# Altium PCB Stabilizer.PCBDOC (part 1 of 8) (continued)
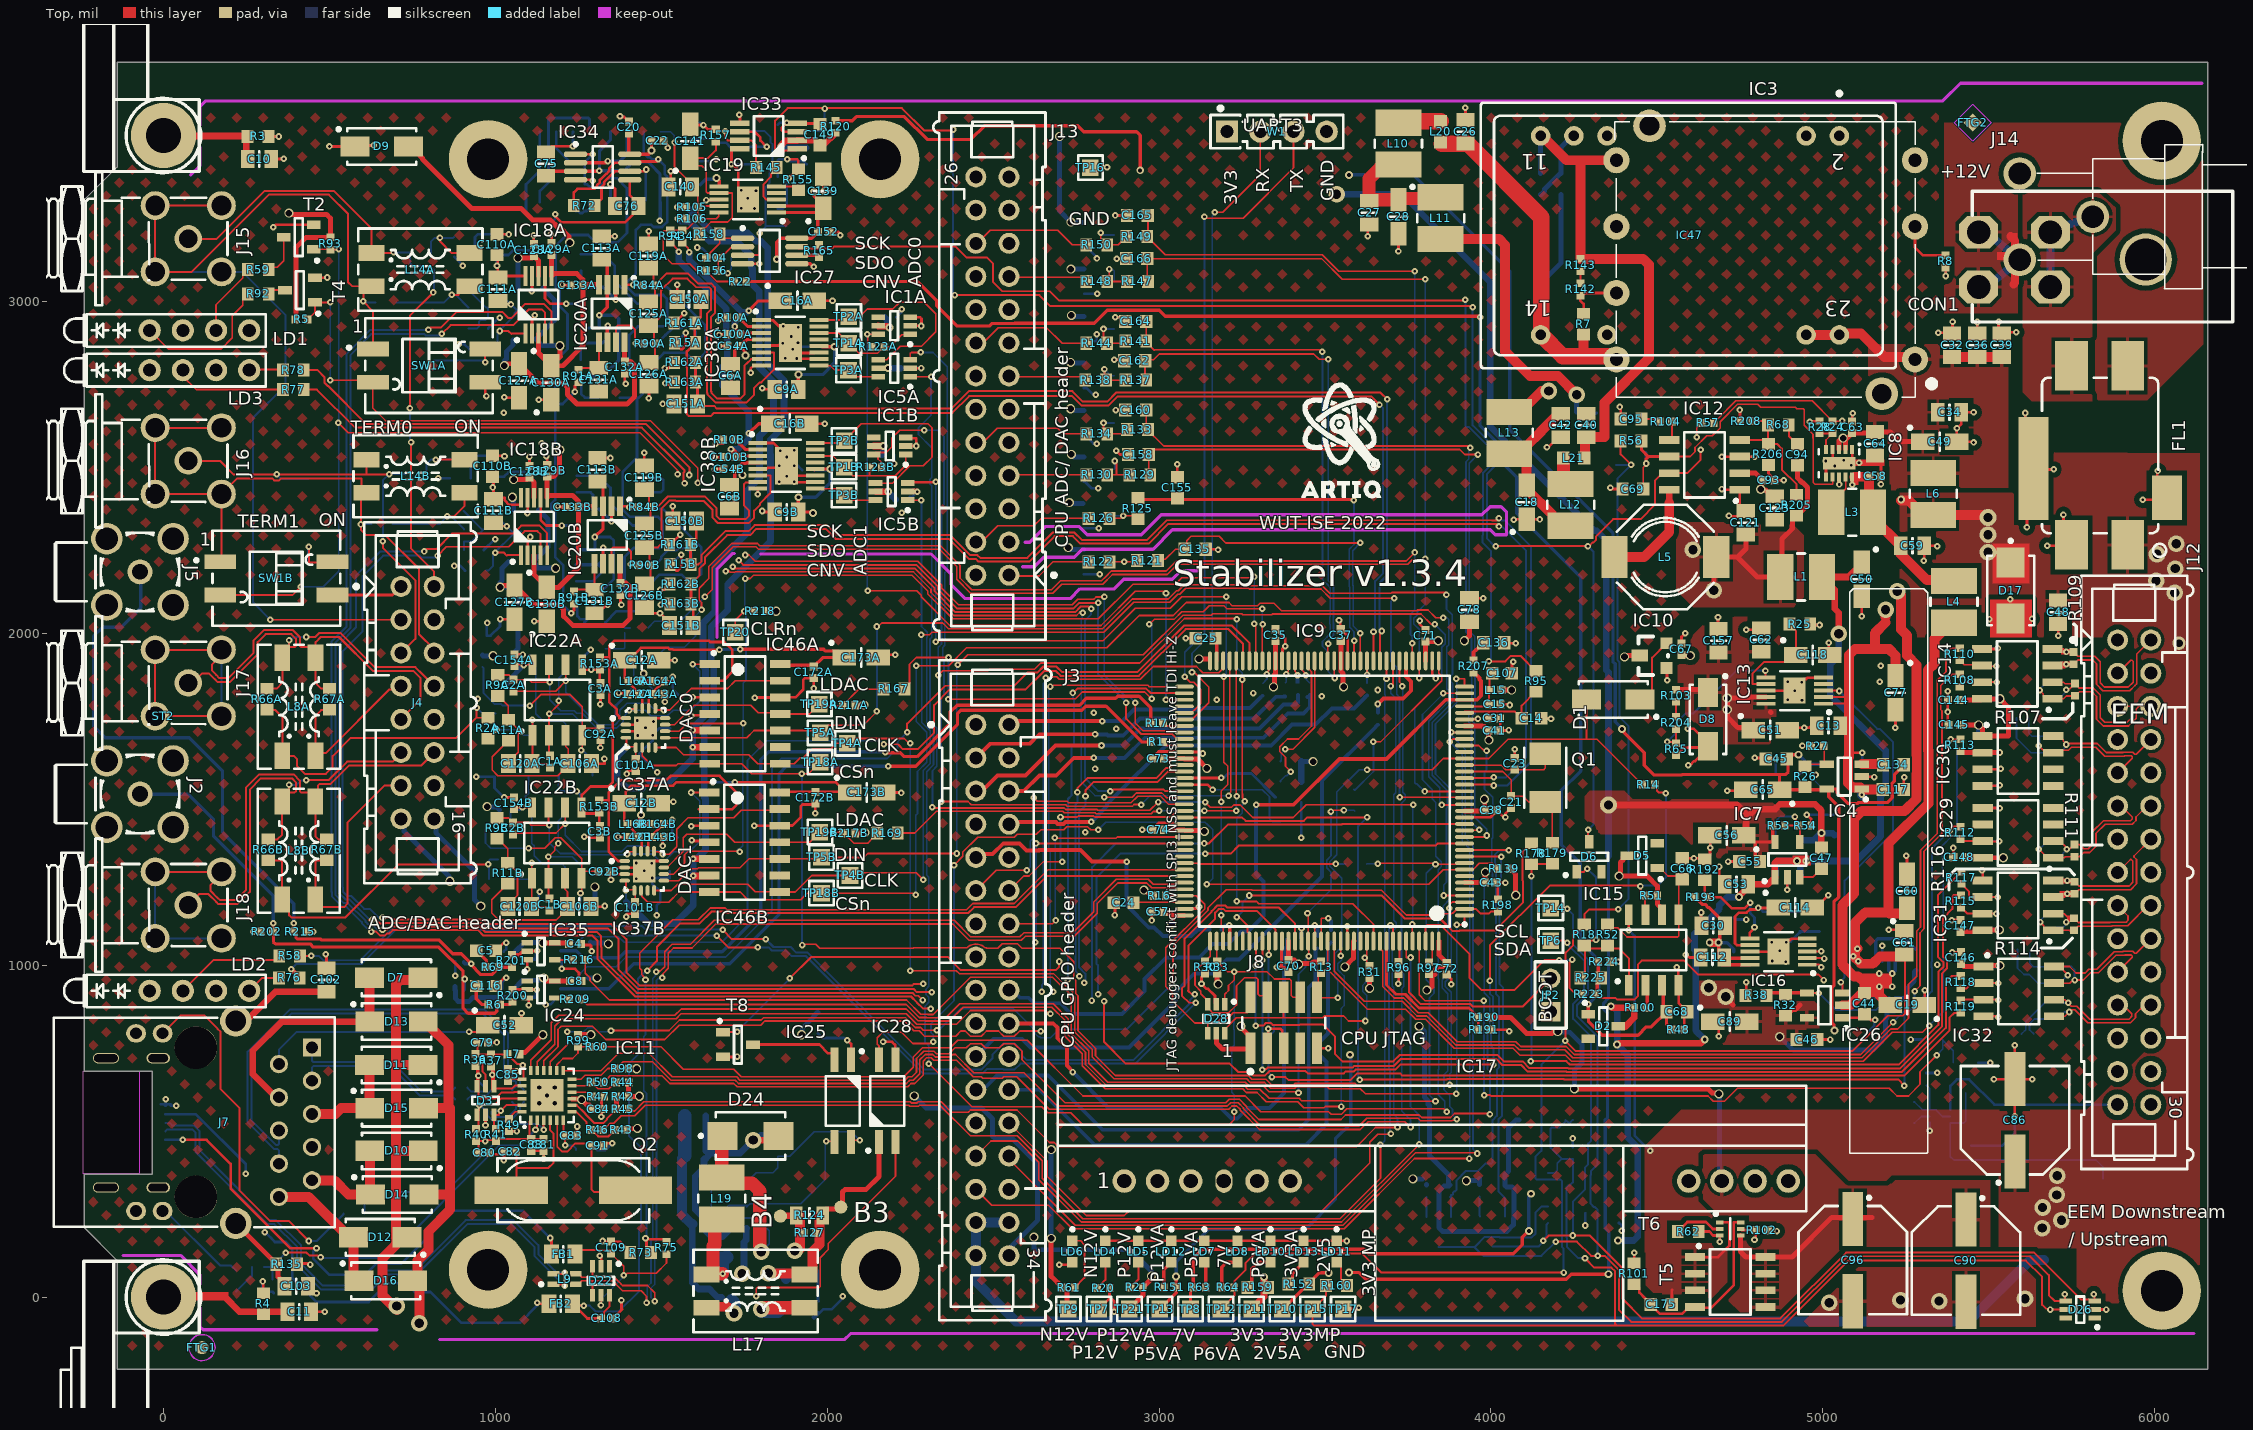
[diagram p0: Top view]
## Classes and differential pairs
net class HV: NetB3_1 NetB4_1 NetC105_2 NetC156_1 NetC156_2 NetIC17_3 NetIC25_3 NetIC25_4 POE_IN1 POE_IN2 POE_IN3 POE_IN4 POE_VC+ POE_VC-
net class SPI: PA0/UART4_TX QSPI_CLK QSPI_IO0 QSPI_IO1 QSPI_IO2 QSPI_IO3 QSPI_NCS SPI1_MISO SPI1_MOSI SPI1_NSS SPI1_SCK
net class Lpower: P2V5A P3V3A P5V0A P12V0A REF_VCC
net class Hpower: GNDF N12V0A N13V0S NetB3_1 NetC105_2 P3V3 P12V0A P12V0F P12V0FIL P12V0POE P13V0S
channel class ADC_1CH: ADC_1CH1 ADC_1CH2
component class ADC_1CH2: C6B C7B C9B C16B C54B C100B C137B C159B IC1B IC5B IC38B R10B R123B TP1B TP2B TP3B
component class ADC_1CH1: C6A C7A C9A C16A C54A C100A C137A C159A IC1A IC5A IC38A R10A R123A TP1A TP2A TP3A
channel class DAC_1CH: DAC_1CH0 DAC_1CH1
component class U_References: C20 C22 C75 C76 C104 C122 C139 C140 C141 C149 C152 C167 C168 IC19 IC27 IC33 IC34 IC42 R34 R72 R94 R105 R106 R120 R145 R154 R155 R156 R157 R158 R165 R219 RN3 RN4
component class U_AUX_Analog_IO: C135 C155 C158 C160 C162 C164 C165 C166 D23 D25 D27 D29 D31 D33 D34 D35 J13 R121 R122 R125 R126 R129 R130 R133 R134 R137 R138 R141 R144 R147 R148 R149 R150
component class EEM_connector: C144 C145 C146 C147 C148 D26 IC14 IC23 IC29 IC30 IC31 IC32 IC36 IC39 IC40 IC41 J12 R107 R108 R109 R110 R111 R112 R113 R114 R115 R116 R117 R118 R119 R173 R174 R175 R194 R195 R196 R197 T9 T10 T11
component class DAC_1CH1: C1B C2B C3B C12B C92B C97B C98B C99B C101B C106B C120B C138B C142B C143B C153B C154_2 C154B C172B C173B D21B IC22B IC37B IC46B L2B L8B L16B L18B R2B R9B R11B R66B R67B R153B R164B R172B R217B RN5B TP4B TP5B TP18B TP19B
component class DAC_1CH0: C1A C2A C3A C12A C92A C97A C98A C99A C101A C106A C120A C138A C142A C143A C153A C154_1 C154A C172A C173A D21A IC22A IC37A IC46A L2A L8A L16A L18A R2A R9A R11A R66A R67A R153A R164A R172A R217A RN5A TP4A TP5A TP18A TP19A
channel class Input_AFE: Input_AFE0 Input_AFE1
component class USB: C108 C109 D22 FB1 FB2 J9 L9 R73 R75 SB1 SB2 SB3 SB4
component class RMII_Ethernet: C52 C79 C80 C81 C82 C83 C84 C85 C87 C88 C91 C102 C103 D3 D7 D10 D11 D12 D13 D14 D15 D16 D24 IC11 J7 L7 Q2 R35 R36 R37 R39 R40 R41 R42 R43 R44 R45 R46 R47 R49 R50 R55 R60 R98 R99 R135 R198 R199 R212 R213 R220 R221 R222
component class Input_AFE1: C110B C111B C113B C119B C124B C125B C126B C127B C128B C129B C130B C131B C132B C133B C150B C151B D19B D20B IC18B IC20B L14B R15B R79B R80B R81B R82B R83B R84B R85B R86B R87B R88B R89B R90B R91B R161B R162B R163B R170B R171B RN1B RN2B SW1B
component class Input_AFE0: C110A C111A C113A C119A C124A C125A C126A C127A C128A C129A C130A C131A C132A C133A C150A C151A D19A D20A IC18A IC20A L14A R15A R79A R80A R81A R82A R83A R84A R85A R86A R87A R88A R89A R90A R91A R161A R162A R163A R170A R171A RN1A RN2A SW1A
component class CPU: C14 C15 C21 C23 C24 C25 C31 C35 C37 C38 C41 C43 C57 C67 C70 C71 C72 C73 C74 C78 C107 C136 D1 D28 IC9 IC10 J8 JP2 L15 Q1 R12 R13 R14 R16 R30 R31 R33 R95 R96 R97 R128 R131 R132 R136 R167 R169 R176 R177 R178 R179 R180 R181 R182 R183 R185 R186 R187 R188 R189 R207
component class Supply_Stabilizer: B3 B4 C13 C18 C19 C26 C27 C28 C29 C30 C32 C33 C34 C36 C39 C40 C42 C44 C45 C46 C47 C48 C49 C50 C51 C53 C55 C56 C58 C59 C60 C61 C62 C63 C64 C65 C66 C68 C69 C77 C86 C89 C90 C93 C94 C95 C96 C105 C112 C114 C115 C117 C118 C121 C123 C134 C156 C157 C169 C170 C171 C174 C175 CON1 D2 D4 D5 D6 D8 D9 D17 D18 FL1 IC3 IC4 IC7 IC8 IC12 IC13 IC15 IC16 IC17 IC25 IC26 IC28 IC43 IC44 IC45 IC47 J14 L1 L3 L4 L5 L6 L10 L11 L12 L13 L17 L19 L20 L21 LD4 LD5 LD6 LD7 LD8 LD10 LD11 LD12 LD13 R7 R8 R18 R19 R20 R21 R22 R24 R25 R26 R27 R28 R29 R32 R38 R48 R51 R52 R53 R54 R56 R57 R61 R62 R63 R64 R65 R68 R100 R101 R102 R103 R104 R124 R127 R139 R140 R142 R143 R146 R151 R152 R159 R160 R166 R168 R184 R190 R191 R192 R193 R204 R205 R206 R208 R210 R211 R223 R224 R225 R226 R227 T5 T6 T7 T8 TP7 TP8 TP9 TP10 TP11 TP12 TP13 TP16 TP17 TP21
component class Stabilizer: C4 C5 C8 C10 C11 C17 C116 C161 C163 D30 FTG1 FTG2 FTG3 FTG4 IC2 IC6 IC21 IC24 IC35 IC48 J2 J3 J4 J5 J15 J16 J17 J18 LD1 LD2 LD3 R1 R3 R4 R5 R6 R17 R23 R58 R59 R69 R70 R71 R74 R76 R77 R78 R92 R93 R200 R201 R202 R203 R209 R214 R215 R216 R218 ST2 T1 T2 T3 T4 TP6 TP14 TP15 TP20 W1 WASHER2 WASHER4 WASHER6 WASHER8
differential pair TD: +TD_P -TD_N
differential pair RD: +RD_P -RD_N
differential pair INB: +INB_P -INB_N
differential pair INA: +INA_P -INA_N
differential pair USBJ: +USBJ_P -USBJ_N
differential pair USB: +USB_P -USB_N
differential pair DAC_1: +DAC_1_P -DAC_1_N
differential pair DAC_0: +DAC_0_P -DAC_0_N
differential pair PHY_TD: +PHY_TD_P -PHY_TD_N
differential pair PHY_RD: +PHY_RD_P -PHY_RD_N
differential pair LVDS7: +LVDS7_P -LVDS7_N
differential pair LVDS6: +LVDS6_P -LVDS6_N
differential pair LVDS5: +LVDS5_P -LVDS5_N
differential pair LVDS4: +LVDS4_P -LVDS4_N
differential pair LVDS3: +LVDS3_P -LVDS3_N
differential pair LVDS2: +LVDS2_P -LVDS2_N
differential pair LVDS1: +LVDS1_P -LVDS1_N
differential pair LVDS0: +LVDS0_P -LVDS0_N

## Components (designator, comment, footprint, x,y, rotation, side; value= is the part's Value field where it differs from the comment)
B3 "SMD Pad" C100 2041.03,271.03 r0 top
B4 "SMD Pad" C100 1859,244 r0 top
C1A "3.3pF" CAPC1005X55N 1165.19,1613.31 r270 top (schematic designator C1)
C1B "3.3pF" CAPC1005X55N 1163.43,1182.68 r270 top (schematic designator C1)
C2A "10pF" CAPC1005X55N 1054.99,1842.84 r90 top (schematic designator C2)
C2B "10pF" CAPC1005X55N 1053.22,1412.21 r90 top (schematic designator C2)
C3A "10pF" CAPC1005X55N 1316.77,1832.6 r270 top (schematic designator C3)
C3B "10pF" CAPC1005X55N 1315,1401.98 r270 top (schematic designator C3)
C4 "100nF" CAPC1005X55N 1239.92,1063.94 r180 top
C5 "Undefined" CAPC1608X90N 972.09,1043.76 r180 top
C6A "10uF" CAPC2012X95N 1709,2775.68 r90 top (schematic designator C6)
C6B "10uF" CAPC2012X95N 1706,2411.57 r90 top (schematic designator C6)
C7A "100nF" CAPC1005X55N 2190.57,2952.29 r180 bottom (schematic designator C7)
C7B "100nF" CAPC1005X55N 2183.28,2538.45 r180 bottom (schematic designator C7)
C8 "100nF" CAPC1005X55N 1242.37,952.09 r180 top
C9A "10uF" CAPC2012X95N 1877.55,2735.2 r0 top (schematic designator C9)
C9B "10uF" CAPC2012X95N 1877.7,2365.38 r0 top (schematic designator C9)
C10 "Undefined" CAPC2012X135N 289,3429 r0 top
C11 "Undefined" CAPC2012X135N 409,-44 r0 top
C12A "10uF" CAPMP3216X180N 1441.02,1918.73 r0 top (schematic designator C12)
C12B "10uF" CAPMP3216X180N 1439.25,1488.11 r0 top (schematic designator C12)
C13 "22uF" CAPC2012X135N 5016.99,1721.64 r0 top
C14 "2.2uF" CAPC1608X90N 4121.81,1743.62 r180 top
C15 "100nF" CAPC1005X55N 4011.54,1785.78 r0 top
C16A "10uF" CAPMP3216X180N 1910.27,3002.54 r0 top (schematic designator C16)
C16B "10uF" CAPMP3216X180N 1887.56,2631.72 r0 top (schematic designator C16)
C17 "100nF" CAPC1005X55N 4246.6,434.08 r270 bottom
C18 "10uF" CAPMP3216X180N 4107.45,2394.91 r90 top
C19 "10uF" CAPMP3216X180N 5253.7,880.27 r180 top
C20 "100nF" CAPC1005X55N 1402.18,3524.14 r270 top
C21 "22pF" CAPC1005X55N 4060.75,1491.66 r90 top
C22 "100nF" CAPC1005X55N 1488.45,3483.83 r180 top
C23 "22pF" CAPC1005X55N 4071.58,1606.8 r270 top
C24 "2.2uF" CAPC1608X90N 2893.4,1187.87 r180 top
C25 "2.2uF" CAPC1608X90N 3140.5,1984.85 r180 top
C26 "22uF" CAPC2012X135N 3922.99,3511 r270 top
C27 "22uF" CAPC2012X135N 3632.74,3267.25 r90 top
C28 "10uF" CAPMP3216X180N 3721.17,3255.44 r270 top
C29 "1uF" CAPC1608X87N 4286.55,2664.55 r180 bottom
C30 "22uF" CAPC2012X135N 4669.54,1119.05 r0 top
C31 "100nF" CAPC1005X55N 4009.97,1743.62 r0 top
C32 "22uF" CAPC2012X135N 5389.18,2867.87 r270 top
C33 "4.7nF" CAPC3216X140N 1934.52,54.28 r180 bottom
C34 "22uF" CAPC2012X135N 5381.65,2665.91 r180 top
C35 "100nF" CAPC1005X55N 3350.52,1994.63 r90 top
C36 "22uF" CAPC2012X135N 5465.36,2867.87 r270 top
C37 "100nF" CAPC1005X55N 3547.37,1994.63 r90 top
C38 "100nF" CAPC1005X55N 4000.12,1467.01 r0 top
C39 "22uF" CAPC2012X135N 5538.79,2867.87 r270 top
C40 "22uF" CAPC2012X135N 4287.33,2626.54 r270 top
C41 "100nF" CAPC1005X55N 4009.97,1707.04 r0 top
C42 "22uF" CAPC2012X135N 4210.39,2626.54 r90 top
C43 "100nF" CAPC1005X55N 4000.12,1248.63 r0 top
C44 "1uF" CAPC1608X87N 5125,884 r90 top
C45 "1uF" CAPC1608X87N 4859.68,1621.41 r0 top
C46 "1uF" CAPC1608X87N 4952,776 r180 top
C47 "10nF" CAPC1608X87N 4995.5,1322.2 r90 top
C48 "22uF" CAPC2012X135N 5708.79,2063.37 r90 top
C49 "10uF" CAPMP3216X180N 5352.12,2577.33 r0 top
C50 "10uF" CAPMP3216X180N 5117.55,2163 r270 top
C51 "10uF" CAPMP3216X180N 4841.96,1708.31 r0 top
C52 "10uF" CAPMP3216X180N 1027.58,819.2 r0 top
C53 "22uF" CAPC2012X135N 4739.6,1243.46 r0 top
C54A "100nF" CAPC1005X55N 1717.18,2865.32 r0 top (schematic designator C54)
C54B "100nF" CAPC1005X55N 1705.33,2494.94 r0 top (schematic designator C54)
C55 "1uF" CAPC1608X87N 4778.97,1312.36 r0 top
C56 "10uF" CAPMP3216X180N 4710.07,1391.1 r180 top
C57 "100nF" CAPC1005X55N 2995.17,1161.03 r180 top
C58 "100nF" CAPC1005X55N 5157.24,2473.06 r180 top
C59 "22uF" CAPC2012X135N 5270,2264 r180 top
C60 "10uF" CAPMP3216X180N 5253.7,1222.43 r90 top
C61 "22uF" CAPC2012X135N 5245,1067.54 r270 top
C62 "22uF" CAPC2012X135N 4814.63,1979.88 r270 top
C63 "100nF" CAPC1005X55N 5088.35,2620.7 r270 top
C64 "22uF" CAPC2012X135N 5157.24,2571.49 r90 top
C65 "10uF" CAPMP3216X180N 4818.34,1528.89 r180 top
C66 "1uF" CAPC1608X87N 4576.21,1290.7 r270 top
C67 "100nF" CAPC1005X55N 4574,1952.12 r90 top
C68 "1uF" CAPC1608X87N 4560.4,859.68 r180 top
C69 "1uF" CAPC1608X87N 4427.76,2434.7 r0 top
C70 "100nF" CAPC1005X55N 3389.81,997.56 r270 top
C71 "100nF" CAPC1005X55N 3802.08,1992.66 r90 top
C72 "100nF" CAPC1005X55N 3866.84,989.47 r270 top
C73 "100nF" CAPC1005X55N 2997.14,1622.64 r180 top
C74 "100nF" CAPC1005X55N 2997.13,1407.97 r180 top
C75 "47nF" CAPC2012X135N 1152.68,3414.32 r270 top
C76 "47nF" CAPC2012X135N 1395.88,3287.53 r0 top
C77 "10uF" CAPMP3216X180N 5219,1821 r270 top
C78 "10uF" CAPC2012X95N 3934.8,2070.34 r270 top
C79 "100nF" CAPC1005X55N 961,766.72 r0 top
C80 "100nF" CAPC1005X55N 966.24,434.4 r180 top
C81 "100nF" CAPC1005X55N 1145.64,458.24 r90 top
C82 "30pF" CAPC1005X55N 1043.73,438.16 r0 top
C83 "1nF" CAPC1005X55N 1228,486 r180 top
C84 "100nF" CAPC1005X55N 1309.6,566.26 r180 top
C85 "100nF" CAPC1005X55N 1038,669.66 r270 top
C86 "220uF" CAPAE830X620N 5578.5,532.82 r90 top
C87 "1uF" CAPC1608X87N 1275,443 r180 bottom
C88 "100nF" CAPC1005X55N 1108.24,458.24 r90 top
C89 "10uF" CAPMP3216X180N 4719.91,830.07 r0 top
C90 "220uF" CAPAE830X620N 5430.87,110 r270 top
C91 "30pF" CAPC1005X55N 1307.65,456 r180 top
C92A "100nF" CAPC1005X55N 1316.77,1695.79 r90 top (schematic designator C92)
C92B "100nF" CAPC1005X55N 1328.55,1281.94 r180 top (schematic designator C92)
C93 "100nF" CAPC1005X55N 4837,2461.15 r180 top
C94 "150pF" CAPC1608X87N 4923,2538.5 r270 top
C95 "3.9nF" CAPC1608X87N 4422.03,2645.33 r0 top
C96 "220uF" CAPAE830X620N 5089.99,111.19 r270 top
C97A "10uF" CAPMP3216X180N 1241.75,1571.16 r0 bottom (schematic designator C97)
C97B "10uF" CAPMP3216X180N 1181.54,1170.8 r0 bottom (schematic designator C97)
C98A "10uF" CAPMP3216X180N 1025.63,1993.08 r180 bottom (schematic designator C98)
C98B "10uF" CAPMP3216X180N 1048.83,1567.33 r180 bottom (schematic designator C98)
C99A "10uF" CAPMP3216X180N 1550.48,1764.17 r270 bottom (schematic designator C99)
C99B "10uF" CAPMP3216X180N 1548.71,1333.55 r270 bottom (schematic designator C99)
C100A "100nF" CAPC1005X55N 1717.35,2901.19 r0 top (schematic designator C100)
C100B "100nF" CAPC1005X55N 1705.49,2530.81 r0 top (schematic designator C100)
C101A "100nF" CAPC1005X55N 1422.91,1603.15 r90 top (schematic designator C101)
C101B "100nF" CAPC1005X55N 1421.14,1172.53 r90 top (schematic designator C101)
C102 "Undefined" CAPC2012X135N 491.1,955.44 r90 top
C103 "Undefined" CAPC2012X135N 400,33 r0 top
C104 "100nF" CAPC1005X55N 1653.31,3130.9 r0 top
C105 "4.7nF" CAPC3216X140N 1913,-38 r180 bottom
C106A "220pF" CAPC2013X100N 1254.76,1607.21 r180 top (schematic designator C106)
C106B "220pF" CAPC2013X100N 1253,1176.59 r180 top (schematic designator C106)
C107 "2.2uF" CAPC1608X90N 4033.59,1879.29 r180 top
C108 "100nF" CAPC1005X55N 1336.38,-64.44 r180 top
C109 "100nF" CAPC1005X55N 1348.48,149.22 r270 top
C110A "18pF" CAPC1608X87N 1004.92,3171.35 r270 top (schematic designator C110)
C110B "18pF" CAPC1608X87N 991.76,2503.45 r270 top (schematic designator C110)
C111A "82pF" CAPC2012X90N 1007.69,3036.7 r90 top (schematic designator C111)
C111B "82pF" CAPC2012X90N 994.52,2368.8 r90 top (schematic designator C111)
C112 "22uF" CAPC2012X135N 4667.33,1023.39 r0 top
C113A "47nF" CAPC2012X135N 1320.82,3160.77 r270 top (schematic designator C113)
C113B "47nF" CAPC2012X135N 1307.65,2492.87 r270 top (schematic designator C113)
C114 "10uF" CAPMP3216X180N 4916.92,1173.74 r0 top
C115 "10uF" CAPMP3216X180N 4731,1092 r90 bottom
C116 "Undefined" CAPC1608X90N 972.09,937.38 r180 top
C117 "1uF" CAPC1608X87N 5212.04,1528.89 r180 top
C118 "10uF" CAPMP3216X180N 4970.06,1934.72 r0 top
C119A "2.2nF" CAPC2013X100N 1462.05,3136.9 r270 top (schematic designator C119)
C119B "2.2nF" CAPC2013X100N 1448.88,2469 r270 top (schematic designator C119)
C120A "220pF" CAPC2013X100N 1074.64,1607.2 r0 top (schematic designator C120)
C120B "220pF" CAPC2013X100N 1072.88,1176.58 r0 top (schematic designator C120)
C121 "22uF" CAPC2012X135N 4768,2332.86 r270 top
C122 "10uF" CAPC2012X95N 1618,3387 r270 bottom
C123 "22uF" CAPC2012X135N 4855.43,2377.2 r90 top
C124A "18pF" CAPC1608X87N 953.17,2856.79 r0 bottom (schematic designator C124)
C124B "18pF" CAPC1608X87N 940,2188.89 r0 bottom (schematic designator C124)
C125A "2.2nF" CAPC2013X100N 1462.06,2962.3 r90 top (schematic designator C125)
C125B "2.2nF" CAPC2013X100N 1448.89,2294.4 r90 top (schematic designator C125)
C126A "2.2nF" CAPC2013X100N 1462.91,2780.76 r270 top (schematic designator C126)
C126B "2.2nF" CAPC2013X100N 1449.74,2112.86 r270 top (schematic designator C126)
C127A "10uF" CAPMP3216X180N 1071.08,2761.08 r270 top (schematic designator C127)
C127B "10uF" CAPMP3216X180N 1057.91,2093.18 r270 top (schematic designator C127)
C128A "100nF" CAPC1005X55N 1115.96,3154.62 r270 top (schematic designator C128)
C128B "100nF" CAPC1005X55N 1102.79,2486.71 r270 top (schematic designator C128)
C129A "100nF" CAPC1005X55N 1169.5,3157.57 r270 top (schematic designator C129)
C129B "100nF" CAPC1005X55N 1156.33,2489.67 r270 top (schematic designator C129)
C130A "10uF" CAPMP3216X180N 1168.52,2755.01 r90 top (schematic designator C130)
C130B "10uF" CAPMP3216X180N 1155.35,2087.11 r90 top (schematic designator C130)
C131A "47nF" CAPC2012X135N 1311.96,2763.87 r90 top (schematic designator C131)
C131B "47nF" CAPC2012X135N 1298.79,2095.97 r90 top (schematic designator C131)
C132A "100nF" CAPC1005X55N 1390.2,2801.43 r90 top (schematic designator C132)
C132B "100nF" CAPC1005X55N 1377.04,2133.53 r90 top (schematic designator C132)
C133A "100nF" CAPC1005X55N 1246.09,3048.32 r0 top (schematic designator C133)
C133B "100nF" CAPC1005X55N 1232.92,2380.42 r0 top (schematic designator C133)
C134 "10nF" CAPC1608X87N 5212.63,1604 r0 top
C135 "82pF" CAPC1608X87N 3109,2253.34 r180 top
C136 "150pF" CAPC1608X87N 4007.88,1971.66 r0 top
C137A "100nF" CAPC1005X55N 1962,2862.99 r0 bottom (schematic designator C137)
C137B "100nF" CAPC1005X55N 1942.28,2492 r0 bottom (schematic designator C137)
C138A "10uF" CAPMP3216X180N 1444,1585 r90 bottom (schematic designator C138)
C138B "10uF" CAPMP3216X180N 1445.75,1191.02 r0 bottom (schematic designator C138)
C139 "10uF" CAPMP3216X180N 1987.79,3331.44 r90 top
C140 "10uF" CAPC2012X95N 1557.2,3345.04 r0 top
C141 "10uF" CAPMP3216X180N 1587.29,3483 r90 top
C142A "100nF" CAPC1005X55N 1415.81,1816.46 r0 top (schematic designator C142)
C142B "100nF" CAPC1005X55N 1414.04,1385.84 r0 top (schematic designator C142)
C143A "100nF" CAPC1005X55N 1491.81,1816.47 r180 top (schematic designator C143)
C143B "100nF" CAPC1005X55N 1490.04,1385.84 r180 top (schematic designator C143)
C144 "100nF" CAPC1005X55N 5394.47,1799 r0 top
C145 "100nF" CAPC1005X55N 5396.47,1723.78 r0 top
C146 "100nF" CAPC1005X55N 5416.18,1022.05 r270 top
C147 "100nF" CAPC1005X55N 5414.58,1118.49 r270 top
C148 "100nF" CAPC1005X55N 5410.59,1325.37 r0 top
C149 "1uF" CAPC1608X87N 1978.11,3501.94 r270 top
C150A "2.2nF" CAPC2013X100N 1583.51,3006.19 r0 top (schematic designator C150)
C150B "2.2nF" CAPC2013X100N 1570.35,2338.29 r0 top (schematic designator C150)
C151A "2.2nF" CAPC2013X100N 1573.67,2691.03 r0 top (schematic designator C151)
C151B "2.2nF" CAPC2013X100N 1560.5,2023.13 r0 top (schematic designator C151)
C152 "100nF" CAPC1005X55N 1989.33,3209.38 r180 top
C153A "10uF" CAPC2012X95N 1424.88,2015.96 r0 bottom (schematic designator C153)
C153B "10uF" CAPC2012X95N 1460.31,1932.32 r0 bottom (schematic designator C153)
C154A "100nF" CAPC1005X55N 1057.49,1918.73 r270 top (schematic designator C154)
C154B "100nF" CAPC1005X55N 1055.72,1488.11 r270 top (schematic designator C154)
C155 "82pF" CAPC1608X87N 3055,2438.99 r270 top
C156 "4.7nF" CAPC3216X140N 1682.13,58.47 r90 bottom
C157 "22uF" CAPC2012X135N 4685.83,1977.5 r270 top
C158 "82pF" CAPC1608X87N 2937.76,2538.69 r0 top
C159A "100nF" CAPC1005X55N 2239,2798.77 r180 bottom (schematic designator C159)
C159B "100nF" CAPC1005X55N 2223.28,2403 r180 bottom (schematic designator C159)
C160 "82pF" CAPC1608X87N 2929.88,2672.75 r0 top
C161 "100nF" CAPC1005X55N 1042.76,1041.14 r0 bottom
C162 "82pF" CAPC1608X87N 2926.93,2821.35 r0 top
C163 "100nF" CAPC1005X55N 1038.75,928.67 r0 bottom
C164 "82pF" CAPC1608X87N 2929.42,2940.05 r0 top
C165 "390pF" CAPC1608X87N 2934.81,3259.02 r0 top
C166 "390pF" CAPC1608X87N 2932.83,3129.11 r0 top
C167 "10uF" CAPC2012X95N 1877.7,3262.39 r270 bottom
C168 "1uF" CAPC1608X87N 1588.27,3521.23 r270 bottom
C169 "1uF" CAPC1608X87N 4895.11,1573.33 r0 bottom
C170 "10nF" CAPC1608X87N 5280.25,1015.98 r270 bottom
C171 "1uF" CAPC1608X87N 5035,1423.59 r270 bottom
C172A "100nF" CAPC1005X55N 1959.39,1882.74 r90 top (schematic designator C172)
C172B "100nF" CAPC1005X55N 1964.2,1504.53 r90 top (schematic designator C172)
C173A "10uF" CAPMP3216X180N 2102.21,1927.09 r0 top (schematic designator C173)
C173B "10uF" CAPMP3216X180N 2119,1520.39 r0 top (schematic designator C173)
C174 "1uF" CAPC1608X87N 5157.24,788.72 r0 bottom
C175 "100nF" CAPC1608X87N 4513.5,-21.72 r0 top
CON1 "MRX56904CV" MRX56904CV 5685.63,3208.85 r90 top
D1 "SS16" DIOM5127X229N 4368.27,1800.24 r180 top
D2 "BAV199" SOT95P240X110-3N 4338.28,815.39 r0 top
D3 "DRTR5V0U4S-7" SOT65P210X110-6N 970.05,592.25 r90 top
D4 "BAV199" SOT95P240X110-3N 4422.02,2507.53 r180 bottom
D5 "BAV199" SOT95P240X110-3N 4456.03,1330.27 r180 top
D6 "BAV199" SOT95P240X110-3N 4295.58,1326.66 r90 top
D7 "SS16" DIOM5127X229N 701.61,962.13 r180 top
D8 "SS16" DIOM5127X229N 4653.69,1740.75 r270 top
D9 "SS16" DIOM5127X229N 657.66,3466.9 r0 top
D10 "SS16" DIOM5127X229N 702.37,440.52 r180 top
D11 "SS16" DIOM5127X229N 701.61,698.95 r180 top
D12 "SS16" DIOM5127X229N 653.19,180 r180 top
D13 "SS16" DIOM5127X229N 702.37,830.09 r0 top
D14 "SS16" DIOM5127X229N 704.54,308.97 r0 top
D15 "SS16" DIOM5127X229N 702.57,569.02 r0 top
D16 "SS16" DIOM5127X229N 669.71,49 r0 top
D17 "SMBJ15A" DIOM5336X265N 5565.65,2128.87 r270 top
D18 "SS16" DIOM5127X229N 4165.76,533.98 r180 bottom
D19A "BAV199" SOT95P240X110-3N 1105.63,3085.13 r90 bottom (schematic designator D19)
D19B "BAV199" SOT95P240X110-3N 1092.46,2417.23 r90 bottom (schematic designator D19)
D20A "BAV199" SOT95P240X110-3N 1090.05,2929.03 r90 bottom (schematic designator D20)
D20B "BAV199" SOT95P240X110-3N 1076.89,2261.13 r90 bottom (schematic designator D20)
D21A "BAV199" SOT95P240X110-3N 1001,1803.05 r270 bottom (schematic designator D21)
D21B "BAV199" SOT95P240X110-3N 1007.92,1364.07 r270 bottom (schematic designator D21)
D22 "DRTR5V0U4S-7" SOT65P210X110-6N 1318.18,49 r270 top
D23 "BAV199" SOT95P240X110-3N 2818.66,2215.17 r0 bottom
D24 "SMBJ60A" DIOM5336X265N 1768.97,485.56 r0 top
D25 "BAV199" SOT95P240X110-3N 2815.71,2354.08 r0 bottom
D26 "DRTR5V0U4S-7" SOT65P210X110-6N 5775.7,-37.56 r180 top
D27 "BAV199" SOT95P240X110-3N 2818.66,2494.1 r0 bottom
D28 "DRTR5V0U4S-7" SOT65P210X110-6N 3172.23,838.87 r270 top
D29 "BAV199" SOT95P240X110-3N 2818.66,2633.87 r0 bottom
D30 "DRTR5V0U4S-7" SOT65P210X110-6N 878.96,967.88 r270 bottom
D31 "BAV199" SOT95P240X110-3N 2818.66,2776.48 r0 bottom
D33 "BAV199" SOT95P240X110-3N 2819.65,2917.05 r0 bottom
D34 "BAV199" SOT95P240X110-3N 2819.65,3199.97 r0 bottom
D35 "BAV199" SOT95P240X110-3N 2819.65,3060.21 r0 bottom